# Altium PCB PCB1.pcbdoc (part 1 of 2)
Units mil, origin at the board's own origin, x right, y up, seen from the top; angles counter-clockwise.
Board outline 3682.38 x 4447.01 mil, 4 copper layers (Top Layer, 地层, 电源层, Bottom Layer); 74 components, 104 nets, 354 pads, 217 vias.
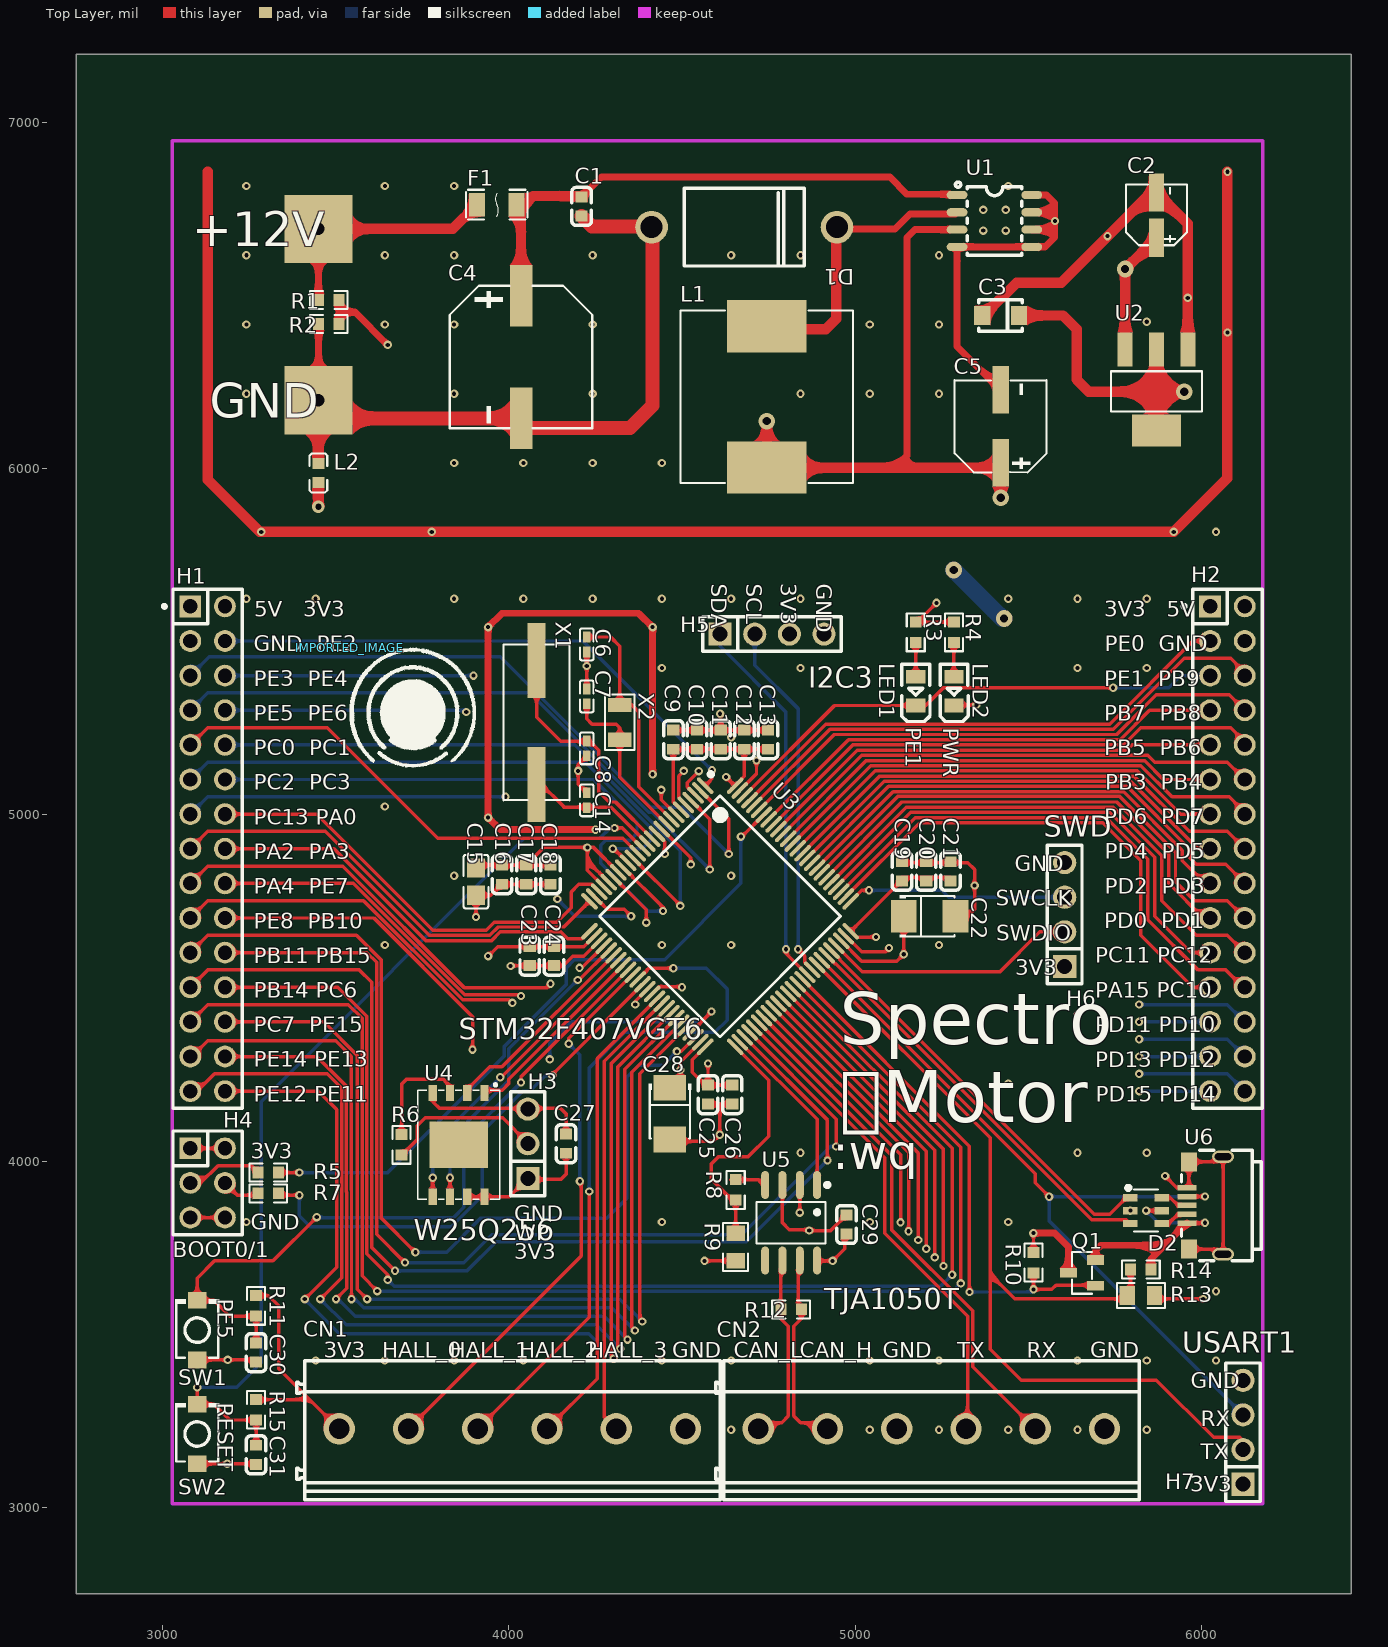
[diagram p0: Top Layer view]
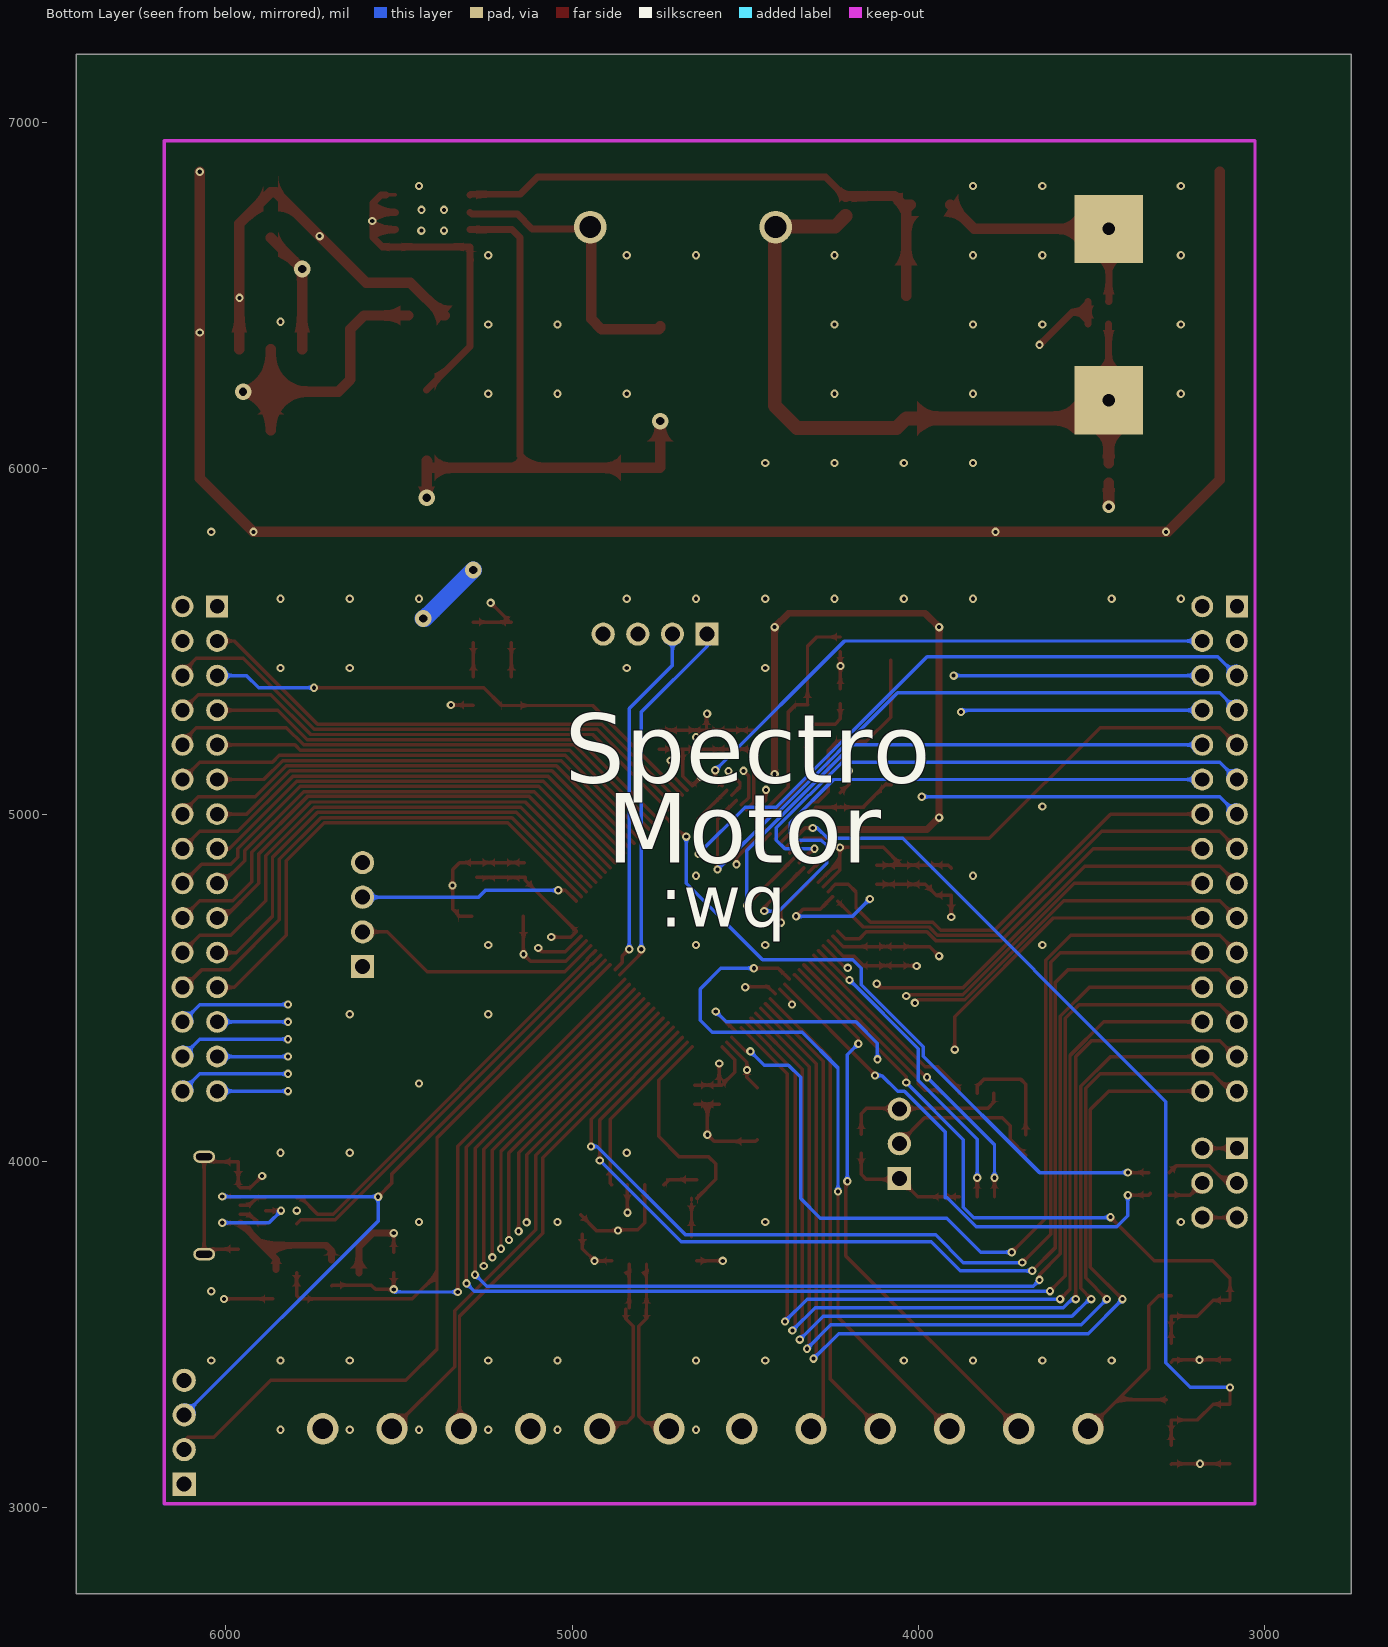
[diagram p1: Bottom Layer view, seen from below]
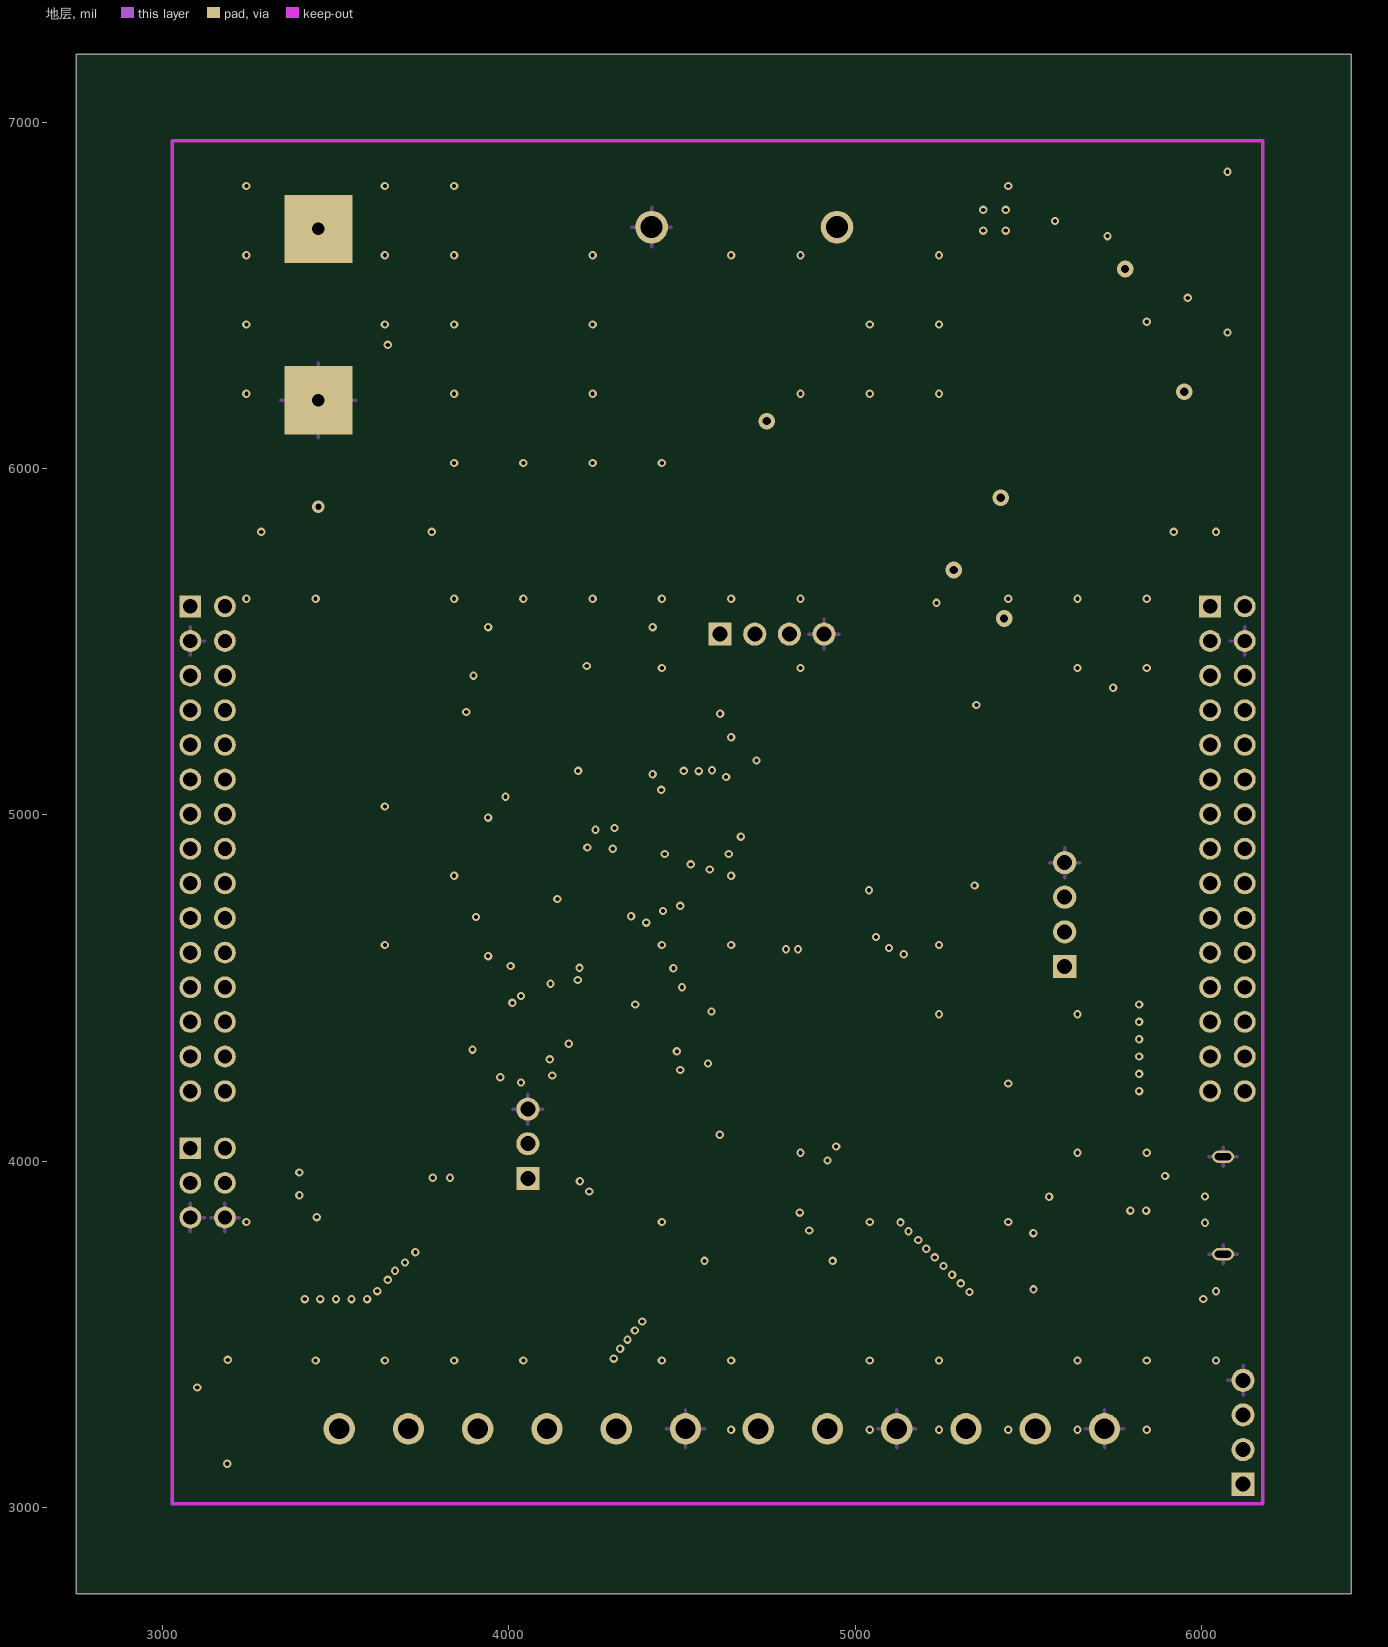
[diagram p2: 地层]
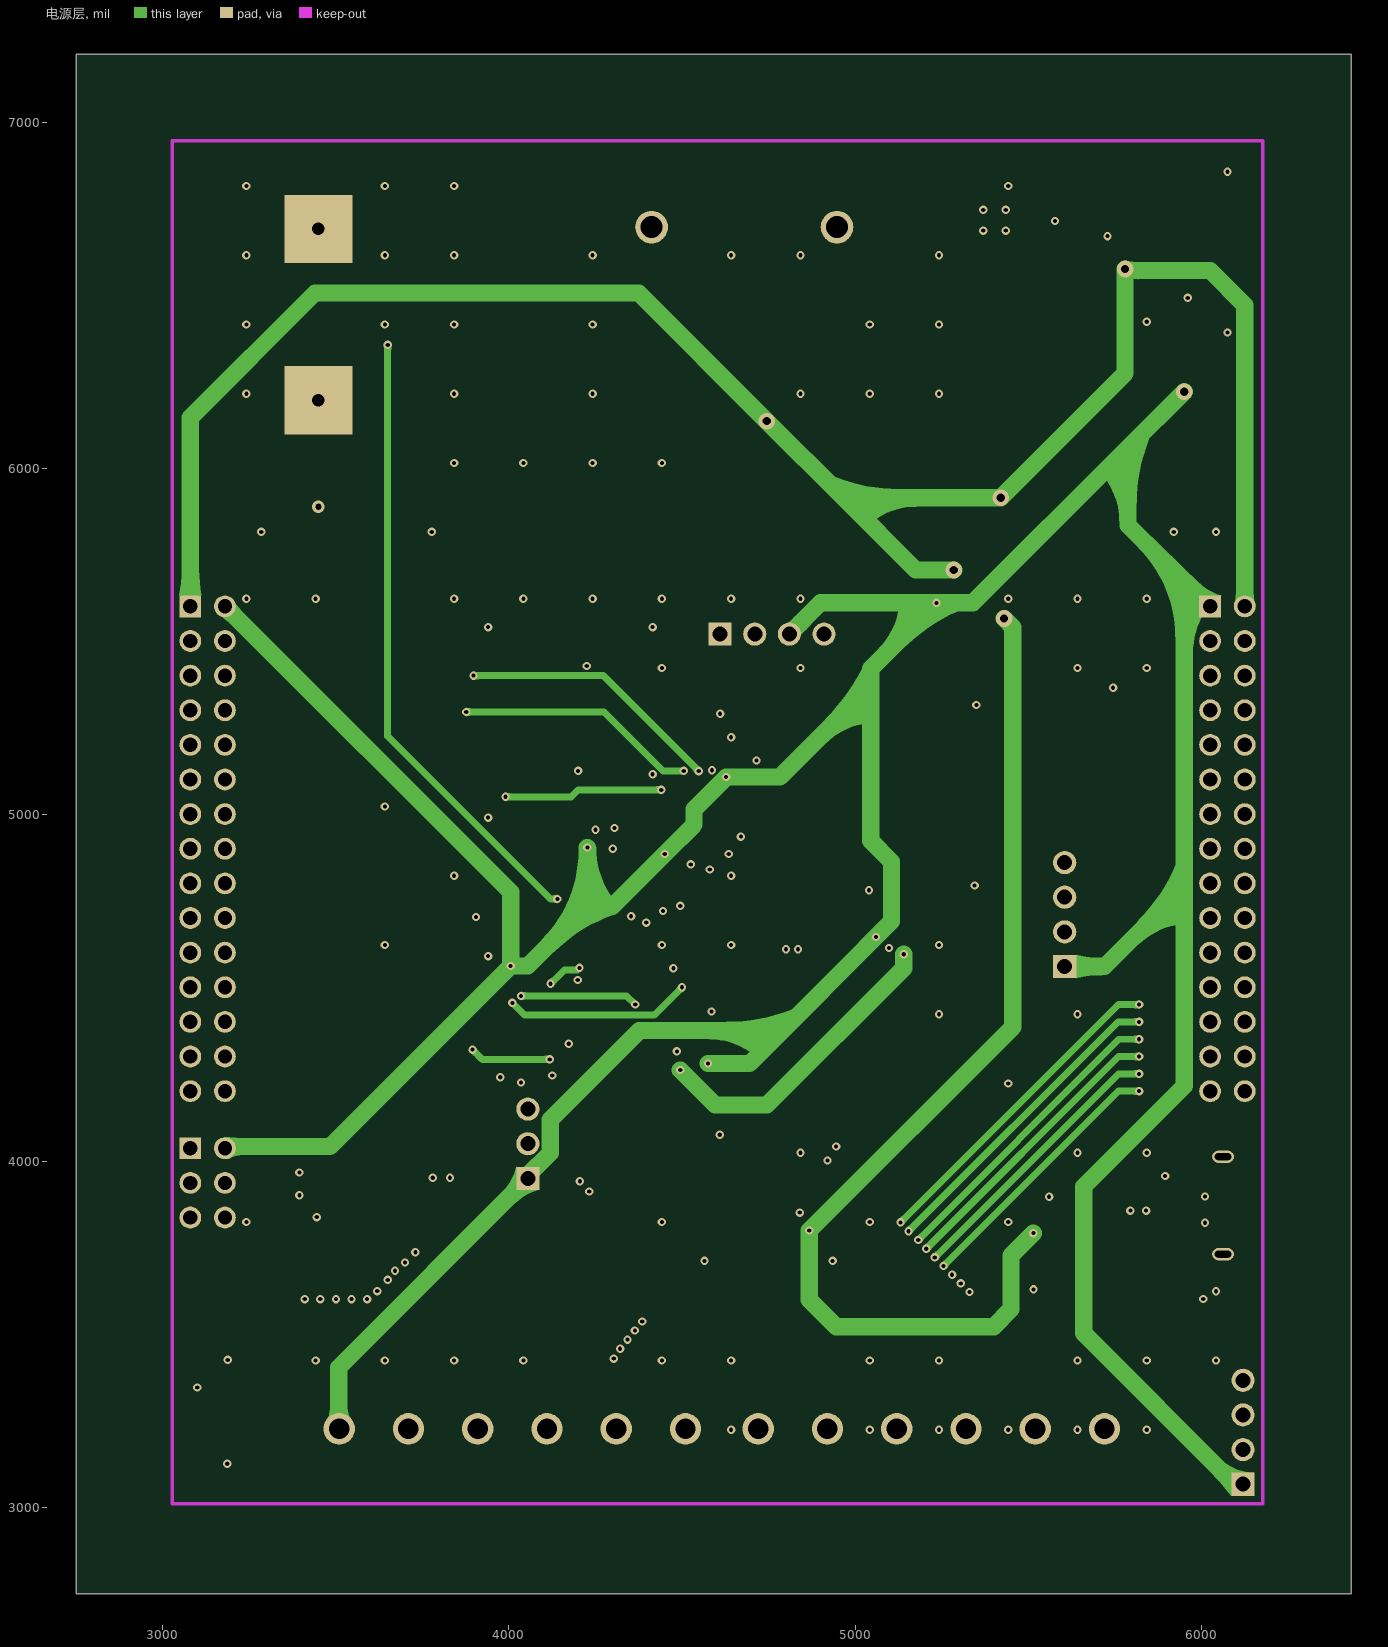
[diagram p3: 电源层]

## Layer stack, top to bottom
Top Layer: signal copper (thickness not stored)
Dielectric: dielectric 12.6, FR-4, Dk 4.8
地层: signal copper (thickness not stored)
Dielectric: dielectric 12.6, FR-4, Dk 4.8
电源层: signal copper (thickness not stored)
Dielectric: dielectric 12.6, FR-4, Dk 4.8
Bottom Layer: signal copper (thickness not stored)

## Board outline
6432.38,2750 2750,2750 2750,7197.01 6432.38,7197.01

## Design rules (kind name [scope] priority, off if disabled: settings)
BoardOutlineClearance copperThickness1oz [All] p0: genericclearance=10 ignorepadtopadclearanceinfootprint=FALSE except(0: Arc-SplitContinuation Track-SplitContinuation SMDPad-SplitContinuation THPad-SplitContinuation Via-SplitContinuation Fill-SplitContinuation Poly-SplitContinuation Region-SplitContinuation Text-SplitContinuation; 6: Track-CutoutEdge SMDPad-CutoutEdge THPad-CutoutEdge Via-CutoutEdge Region-CutoutEdge; 11.8: Track-OutlineEdge SMDPad-OutlineEdge THPad-OutlineEdge Via-OutlineEdge Fill-OutlineEdge Region-OutlineEdge Poly-OutlineEdge Text-OutlineEdge Fill-CutoutEdge)
BoardOutlineClearance copperThickness2oz [All] p0: genericclearance=10 ignorepadtopadclearanceinfootprint=FALSE except(0: Arc-SplitContinuation Track-SplitContinuation SMDPad-SplitContinuation THPad-SplitContinuation Via-SplitContinuation Fill-SplitContinuation Poly-SplitContinuation Region-SplitContinuation Text-SplitContinuation; 6: Track-CutoutEdge SMDPad-CutoutEdge THPad-CutoutEdge Via-CutoutEdge Region-CutoutEdge; 11.8: Track-OutlineEdge SMDPad-OutlineEdge THPad-OutlineEdge Via-OutlineEdge Fill-OutlineEdge Region-OutlineEdge Poly-OutlineEdge Text-OutlineEdge Fill-CutoutEdge)
Clearance copperThickness1oz [(InNet('GND') OR InNet('VIN12V') OR InNet('VCC5V') OR InNet('RESET') OR InNet('OSC_IN') OR InNet('OSC_OUT') OR InNet('OSC32_IN') OR InNet('OSC32_OUT') OR InNet('VCC3V3') OR InNet('VCAP') OR InNet('$1N13999') OR InNet('$1N14000') OR InNet('CAN_H') OR InNet('CAN_L') OR InNet('HALL_0') OR InNet('HALL_1') OR InNet('HALL_2') OR InNet('HALL_3') OR InNet('$1N2050') OR InNet('OTG_FS_DM') OR InNet('OTG_FS_DP') OR InNet('SWDIO') OR InNet('SWCLK') OR InNet('PB9') OR InNet('PB8') OR InNet('PC13') OR InNet('PB7') OR InNet('PC12') OR InNet('PB5') OR InNet('PC11') OR InNet('PB4') OR InNet('PC10') OR InNet('PB3') OR InNet('PC7') OR InNet('PA15') OR InNet('PA4') OR InNet('PA0') OR InNet('PE1') OR InNet('PE15') OR InNet('PE0') OR InNet('PE14') OR InNet('PD15') OR InNet('PE13') OR InNet('PD14') OR InNet('PE12') OR InNet('PD13') OR InNet('PE11') OR InNet('PD12') OR InNet('PD11') OR InNet('PD10') OR InNet('PD7') OR InNet('PD6') OR InNet('PE6') OR InNet('PD5') OR InNet('PE5') OR InNet('PD4') OR InNet('PE4') OR InNet('PD3') OR InNet('PE3') OR InNet('PD2') OR InNet('PE2') OR InNet('$1N2033') OR InNet('$1N14115') OR InNet('BOOT0') OR InNet('BOOT1') OR InNet('$1N2742') OR InNet('ADC1_IN1') OR InNet('USART3_RX') OR InNet('USART3_TX') OR InNet('CS_W25Q') OR InNet('$1N26921') OR InNet('KEY_1') OR InNet('$1N27691') OR InNet('$1N27694') OR InNet('CAN2_RX') OR InNet('CAN2_TX') OR InNet('PB15') OR InNet('PB14') OR InNet('SPI1_MOSI') OR InNet('SPI1_MISO') OR InNet('SPI1_SCK') OR InNet('OTG_FS_VBUS/USART1_TX') OR InNet('PB6') OR InNet('PD1') OR InNet('PD0') OR InNet('I2C3_SDA') OR InNet('I2C3_SCL') OR InNet('PB11') OR InNet('PB10') OR InNet('PA3') OR InNet('PA2') OR InNet('PC3') OR InNet('PC2') OR InNet('PC1') OR InNet('PC0') OR InNet('PE8') OR InNet('PE7') OR InNet('PGND') OR InNet('OTG_FS_EN') OR InNet('PC6') OR InNet('D+') OR InNet('VBUS') OR InNet('D-') OR InNet('OTG_FS_ID/USART1_RX'))] p1: gap=7 ignorepadtopadclearanceinfootprint=FALSE except(4: Track-Track; 6: Track-SMDPad SMDPad-SMDPad Track-THPad SMDPad-THPad THPad-THPad Track-Via SMDPad-Via THPad-Via Via-Via SMDPad-Fill THPad-Fill Via-Fill Fill-Fill Track-Region SMDPad-Region THPad-Region Via-Region Region-Region Track-Poly SMDPad-Poly THPad-Poly Via-Poly Fill-Poly Region-Poly Poly-Poly Track-Text SMDPad-Text THPad-Text Via-Text Fill-Text Region-Text Poly-Text Text-Text; 6.9: Track-Hole SMDPad-Hole THPad-Hole Via-Hole Fill-Hole Region-Hole Poly-Hole Text-Hole Sheet-Hole; 11.8: Track-Fill Fill-Region Track-Sheet SMDPad-Sheet THPad-Sheet Via-Sheet Fill-Sheet Region-Sheet Poly-Sheet Text-Sheet)
Clearance copperThickness2oz [All] p1: gap=7 ignorepadtopadclearanceinfootprint=FALSE except(6: Track-SMDPad SMDPad-SMDPad Track-THPad SMDPad-THPad THPad-THPad Track-Via SMDPad-Via THPad-Via Via-Via SMDPad-Fill THPad-Fill Via-Fill Fill-Fill Track-Region SMDPad-Region THPad-Region Via-Region Region-Region Track-Poly SMDPad-Poly THPad-Poly Via-Poly Fill-Poly Region-Poly Poly-Poly Track-Text SMDPad-Text THPad-Text Via-Text Fill-Text Region-Text Poly-Text Text-Text; 6.9: Track-Hole SMDPad-Hole THPad-Hole Via-Hole Fill-Hole Region-Hole Poly-Hole Text-Hole Sheet-Hole; 8: Track-Track; 11.8: Track-Fill Fill-Region Track-Sheet SMDPad-Sheet THPad-Sheet Via-Sheet Fill-Sheet Region-Sheet Poly-Sheet Text-Sheet)
DiffPairsRouting differentialPair [All] p1: maxuncoupledlength=10 minlimit=5.9843 maxlimit=5.9843 mostfreqgap=5.9843 toplayer_minwidth=5 toplayer_prefwidth=10 toplayer_maxwidth=100 bottomlayer_minwidth=5 bottomlayer_prefwidth=10 bottomlayer_maxwidth=100 midlayer1_minwidth=5 midlayer1_prefwidth=10 midlayer1_maxwidth=100 midlayer2_minwidth=5 midlayer2_prefwidth=10 midlayer2_maxwidth=100
PasteMaskExpansion pasteMaskExpansion [All] p1: expansion=0
PlaneConnect innerPlane [All] p1: planeconnectstyle=Relief reliefexpansion=20 reliefentries=4 reliefconductorwidth=10 reliefairgap=10
PolygonConnect copperRegion [All] p1: connectstyle=Relief reliefentries=4 reliefconductorwidth=10 polygonreliefangle="90 Angle" airgapwidth=10
RoutingVias viaSize [All] p1: viastyle="Through Hole" holewidth=12.0078 minholewidth=11.811 maxholewidth=248.0314 width=24.0158 minwidth=19.685 maxwidth=393.7008
SolderMaskExpansion solderMaskExpansion [All] p1: useseparateexpansions=TRUE expansion=2.0079 expansionbottom=2.0079
Width copperThickness1oz [All] p1: maxlimit=100 minlimit=5 preferedwidth=10
Width copperThickness2oz [All] p1: maxlimit=100 minlimit=8 preferedwidth=10

## Components (designator, comment, footprint, x,y, rotation, side; value= is the part's Value field where it differs from the comment)
C1 "CL10A105KB8NNNC" C0603 4210,6757.01 r90 top
C2 "VT10UF16V167RV0128" CAP-SMD_BD4.0-L4.3-W4.3-LS5.0-FD 5870,6732.01 r90 top
C3 "CA45-A-16V-22uF-K" CAP-SMD_L3.2-W1.6 5420,6442.01 r180 top
C4 "RVT470UF35V67RV0056" CAP-SMD_BD10.0-L10.3-W10.3-LS11.0-FD 4035,6322.01 r270 top
C5 "KNM2180UF16V118EC0094" CAP-SMD_BD6.3-L6.6-W6.6-LS7.3-FD 5420,6122.01 r90 top
C6 "GJM1555C1H9R0BB01D" C0402 4225,5492.01 r90 top
C7 "GJM1555C1H9R0BB01D" C0402 4225,5342.01 r270 top
C8 "GRM1555C1H200JA01D" C0402 4225,5192.01 r90 top
C9 "CGA0603X7R104K500JT" C0603 4475,5217.01 r270 top
C10 "CGA0603X7R104K500JT" C0603 4543.33,5217.01 r270 top
C11 "CGA0603X7R104K500JT" C0603 4611.67,5217.01 r270 top
C12 "CGA0603X7R104K500JT" C0603 4680,5217.01 r270 top
C13 "CGA0603X7R104K500JT" C0603 4748.33,5217.01 r270 top
C14 "GRM1555C1H200JA01D" C0402 4225,5042.01 r270 top
C15 "CGA0805X7R475K350MT" C0805 3905,4807.01 r90 top
C16 "CGA0603X7R104K500JT" C0603 3980,4827.01 r90 top
C17 "CGA0603X7R104K500JT" C0603 4050,4827.01 r90 top
C18 "CGA0603X7R104K500JT" C0603 4120,4827.01 r90 top
C19 "CGA0603X7R104K500JT" C0603 5135,4837.01 r270 top
C20 "CGA0603X7R104K500JT" C0603 5205,4837.01 r270 top
C21 "CGA0603X7R104K500JT" C0603 5275,4837.01 r270 top
C22 "CA45A-B-50V-2.2UF-K" CAP-SMD_L3.5-W2.8-R-RD 5215,4707.01 r180 top
C23 "CGA0603X7R104K500JT" C0603 4060,4592.01 r270 top
C24 "CGA0603X7R104K500JT" C0603 4130,4592.01 r270 top
C25 "CGA0603X7R104K500JT" C0603 4575,4192.01 r90 top
C26 "CGA0603X7R104K500JT" C0603 4645,4192.01 r90 top
C27 "CGA0603X7R104K500JT" C0603 4165,4050.17 r270 top
C28 "CA45A-B-50V-2.2UF-K" CAP-SMD_L3.5-W2.8-R-RD 4465,4137.01 r90 top
C29 "CGA0603X7R104K500JT" C0603 4975,3817.01 r90 top
C30 "CT41G-0603-2X1-50V-0.1μF-K(N)" C0603 3270,3447.01 r90 top
C31 "CT41G-0603-2X1-50V-0.1μF-K(N)" C0603 3270,3152.01 r90 top
CN1 "DB128V-5.08-6P-GN-S" CONN-TH_6P-P5.08_DIBO_DB128V-5.08 4010,3227.01 r0 top
CN2 "DB128V-5.08-6P-GN-S" CONN-TH_6P-P5.08_DIBO_DB128V-5.08 5220,3227.01 r0 top
D1 "1N5820G" DO-201AD_BD5.3-L8.4-P12.50-D1.4-RD 4679.81,6697.07 r180 top
D2 "USBLC6-2SC6" SOT-23-6_L2.9-W1.6-P0.95-LS2.8-BL 5840,3857.01 r270 top
F1 "SMD1206-100-30" F1206 3965,6762.01 r0 top
H1 "X6521WV-2x15H-C60D30" HDR-TH_30P-P2.54-V-M-R2-C15-S2.54-BL 3130,4902.01 r270 top
H2 "X6521WV-2x15H-C60D30" HDR-TH_30P-P2.54-V-M-R2-C15-S2.54-BL 6075,4902.01 r270 top
H3 "KH-2.54PH180-1X3P-L11.5" HDR-TH_3P-P2.54-V-M 4054.87,4050.17 r90 top
H4 "2.54-2*3" HDR-TH_6P-P2.54-V-R2-C3-S2.54_A2541WV-2X3P 3130,3937.01 r270 top
H5 "PZ254V-11-04P" HDR-TH_4P-P2.54-V-M 4760,5522.01 r0 top
H6 "PZ254V-11-04P" HDR-TH_4P-P2.54-V-M 5605,4712.01 r90 top
H7 "PZ254V-11-04P" HDR-TH_4P-P2.54-V-M 6120,3217.01 r90 top
IMPORTED_IMAGE "IMPORTED_IMAGE" IMPORTED_IMAGE 3540,5482.01 r0 top
L1 "CYH125-68UH" IND-SMD_L12.5-W12.5 4745,6207.01 r270 top
L2 "BLM18PG121SN1D" L0603 3449.81,5987.07 r270 top
LED1 "NCD0805R1" LED0805-R-RD 5175,5357.01 r90 top
LED2 "NCD0805R1" LED0805-R-RD 5285.55,5357.01 r90 top
Q1 "BSS84,215" SOT-23-3_L2.9-W1.3-P1.90-LS2.4-BR 5655,3677.01 r0 top
R1 "RC0603FR-07300KL" R0603 3480,6487.01 r0 top
R2 "RC0603FR-07100KL" R0603 3480,6417.01 r0 top
R3 "0603WAF1000T5E" R0603 5175,5527.01 r270 top
R4 "0603WAF1000T5E" R0603 5285,5527.01 r270 top
R5 "RC0603FR-07100KL" R0603 3305,3967.01 r180 top
R6 "RC0603FR-07100KL" R0603 3690,4046.99 r90 top
R7 "RC0603FR-07100KL" R0603 3305,3907.01 r0 top
R8 "RMC06031.8K1%N" R0603 4655,3916.81 r90 top
R9 "RC0805JR-073K3L" R0805 4655,3751.81 r90 top
R10 "RC0603FR-07100KL" R0603 5515,3707.01 r90 top
R11 "FRC0603J103 TS" R0603 3270,3582.01 r90 top
R12 "0603WAF1200T5E" R0603 4815,3572.01 r0 top
R13 "RC0805JR-073K3L" R0805 5825,3612.01 r180 top
R14 "RMC06031.8K1%N" R0603 5825,3687.01 r0 top
R15 "FRC0603J103 TS" R0603 3270,3282.01 r90 top
SW1 "TS-1088-AR02016" SW-SMD_L3.9-W3.0-P4.45 3100,3512.01 r90 top
SW2 "TS-1088-AR02016" SW-SMD_L3.9-W3.0-P4.45 3100,3212.01 r90 top
U1 "XL1509-5.0" SOIC-8_L4.9-W3.9-P1.27-LS6.0-TR 5402.04,6714.97 r90 top
U2 "AMS1117-3.3_C6186" SOT-223-3_L6.5-W3.4-P2.30-LS7.0-BR 5870,6227.01 r90 top
U3 "STM32F407VGT6" LQFP-100_L14.0-W14.0-P0.50-LS16.0-BL 4610,4707.01 r225 top
U4 "W25Q256JVEIQ" WSON-8_L6.0-W8.0-P1.27-BL-EP 3855,4047.01 r180 top
U5 "TJA1050T-JSM" SOIC-8_L4.9-W3.9-P1.27-LS6.0-BL 4815,3822.01 r180 top
U6 "USB-111HJ-B-CU" MICRO-USB-SMD_HOOYA_USB-111HJ-B-CU 6010,3872.01 r90 top
X1 "X49SM25MSD2SC" HC-49S_L11.4-W4.8 4080,5267.01 r90 top
X2 "XKXGI-SUA-32.768K" CRYSTAL-SMD_L3.2-W1.5-1 4320,5267.01 r270 top
